# KiCad board cm0.kicad_pcb (continued)
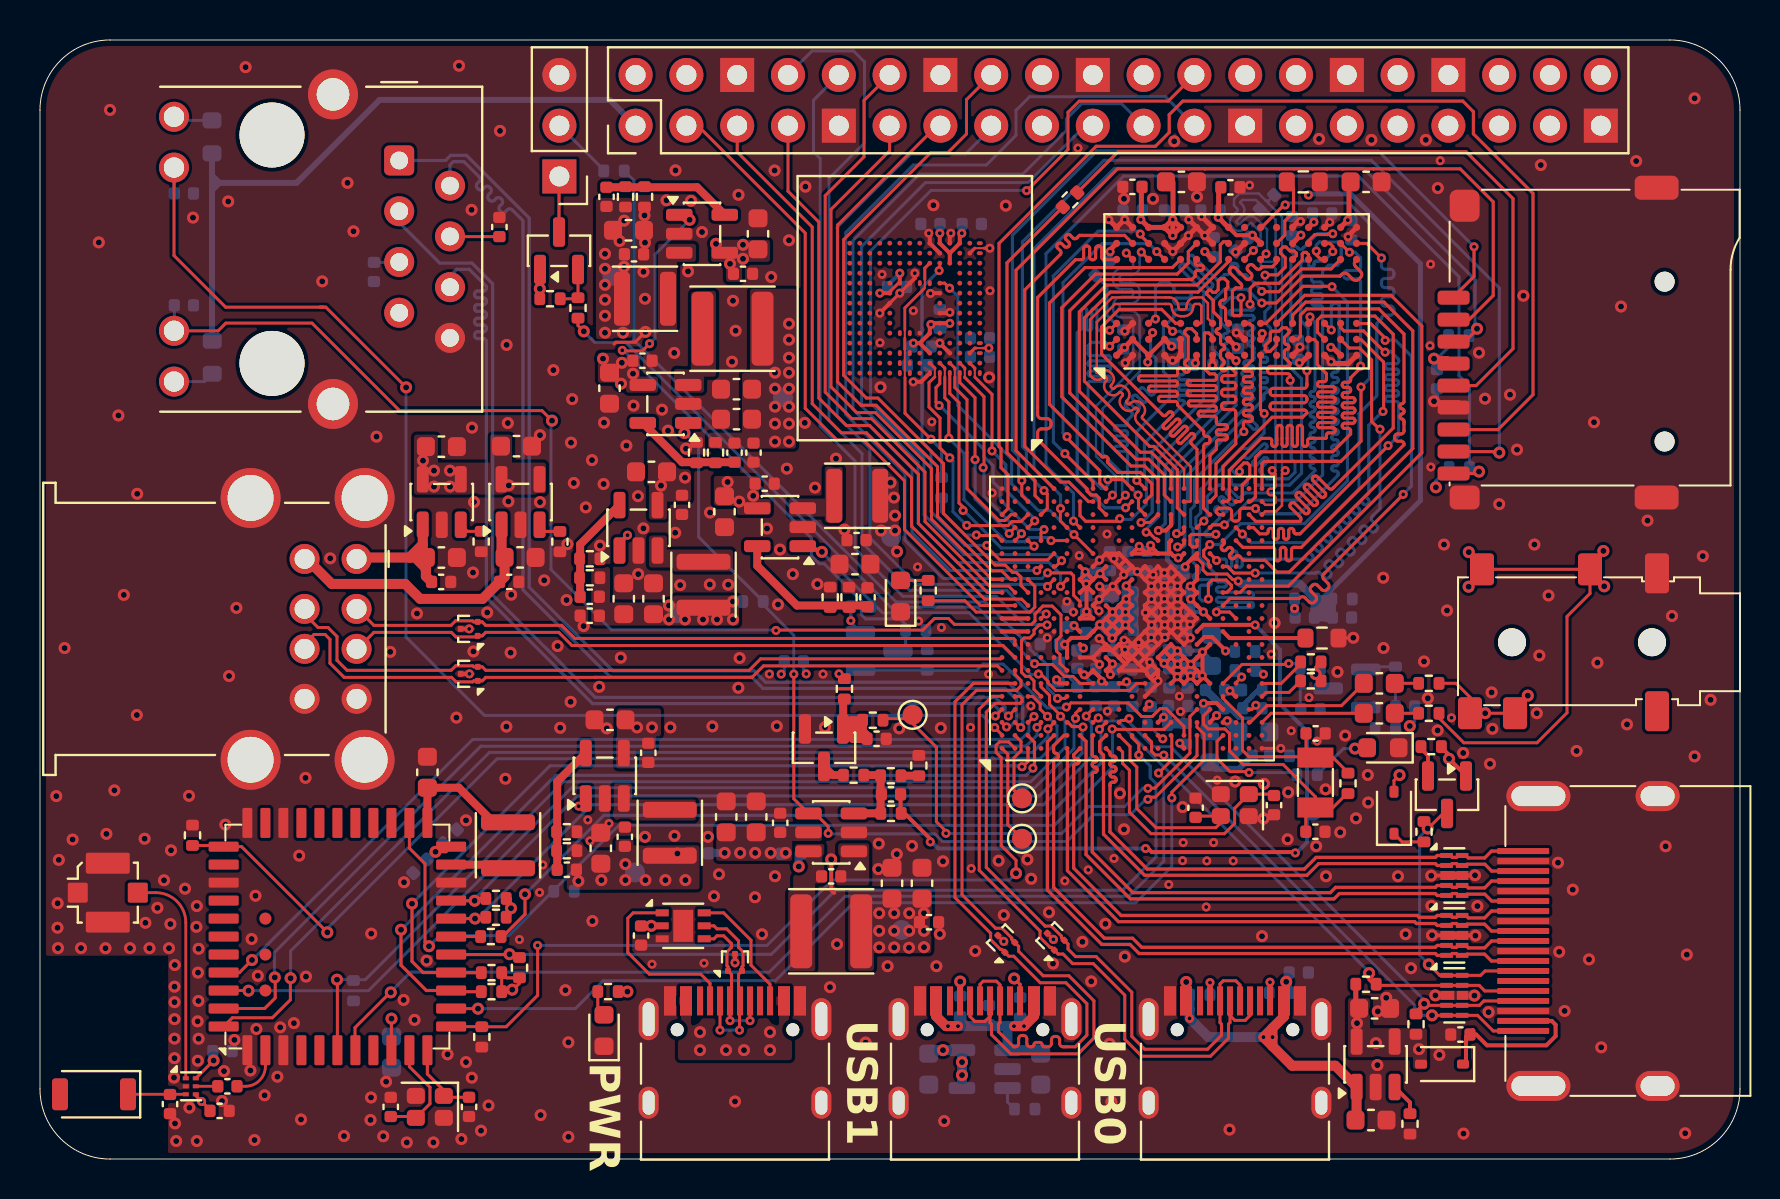
[diagram p0: board, top side]
## Routing (per net, layer and track width the routed paths; a pad name or vN(x,y) marks a point on that pad's centre or on a via; arc(x,y) is an arc through that point) (continued)
/DDR3/DQ12: length 20.5
  Top w0.157: U2.A7 53.81,45 53.2,45 arc(53.12,45.04) 53.08,45.12 53.08,45.57 arc(53.05,45.66) 52.96,45.69 52.9,45.69 arc(52.82,45.66) 52.78,45.57 52.78,45.12 arc(52.75,45.04) 52.66,45 52.6,45 arc(52.52,45.04) 52.48,45.12 52.48,45.57 arc(52.45,45.66) 52.36,45.69 52.3,45.69 arc(52.22,45.66) 52.18,45.57 52.18,45.12 arc(52.15,45.04) 52.06,45 51.77,45 49.88,43.11 49.88,37.26 arc(49.94,37.11) 50.08,37.05 50.35,37.05 arc(50.49,36.99) 50.55,36.85 50.55,36.75 arc(50.49,36.6) 50.35,36.54 50.08,36.54 arc(49.94,36.48) 49.88,36.34 49.88,36.01 52.35,33.54 52.35,33.43 52.54,33.23 52.8,33.23 52.96,33.07 52.96,32.59 U1.J19
/DDR3/DQ13: length 17.4
  Top w0.157: U1.L21 54.15,34 v1(53.39,34) ; v1(53.48,40.67) 53.83,41.02 U2.A2
  Bottom w0.157: v1(53.39,34) 53.39,33.74 53.21,33.55 53.06,33.55 52.4,34.21 52.4,38.82 arc(52.43,38.89) 52.5,38.92 53.42,38.92 arc(53.5,38.95) 53.53,39.02 53.53,39.07 arc(53.5,39.14) 53.42,39.17 52.5,39.17 arc(52.43,39.2) 52.4,39.28 52.4,39.33 arc(52.43,39.4) 52.5,39.43 53.42,39.43 arc(53.5,39.46) 53.53,39.53 53.53,39.58 arc(53.5,39.66) 53.42,39.69 52.5,39.69 arc(52.43,39.72) 52.4,39.79 52.4,39.84 arc(52.43,39.91) 52.5,39.94 53.42,39.94 arc(53.5,39.97) 53.53,40.05 53.53,40.1 arc(53.5,40.17) 53.42,40.2 52.5,40.2 arc(52.43,40.23) 52.4,40.3 52.4,40.7 52.57,40.87 53.28,40.87 v1(53.48,40.67)
/DDR3/DQ14: length 20.5
  Top w0.15: 49.24,35.66 51.03,33.88 51.44,33.88
  Top w0.157: U2.B8 54.23,46.22 51.97,46.22 51.83,46.08 arc(51.74,46.05) 51.66,46.08 51.5,46.24 arc(51.42,46.27) 51.33,46.24 51.29,46.19 arc(51.26,46.11) 51.29,46.02 51.45,45.87 arc(51.48,45.78) 51.45,45.7 51.4,45.66 arc(51.32,45.62) 51.23,45.66 51.08,45.81 arc(50.99,45.85) 50.91,45.81 50.87,45.77 arc(50.83,45.69) 50.87,45.6 51.02,45.44 arc(51.06,45.36) 51.02,45.27 49.24,43.49 49.24,35.66 ; 51.44,33.88 52.42,32.9 U1.H20
/DDR3/DQ15: length 17
  Top w0.157: v1(53.48,41.47) 53.83,41.82 U2.A3 ; U1.L20 54.29,32.59 v1(54.28,32.59)
  Bottom w0.157: v1(53.48,41.47) 52.95,41.47 arc(52.88,41.5) 52.85,41.57 52.85,42.47 arc(52.82,42.54) 52.75,42.57 52.7,42.57 arc(52.62,42.54) 52.59,42.47 52.59,41.57 arc(52.56,41.5) 52.49,41.47 52.44,41.47 arc(52.37,41.5) 52.34,41.57 52.34,42.47 arc(52.31,42.54) 52.23,42.57 52.18,42.57 arc(52.11,42.54) 52.08,42.47 52.08,41.57 arc(52.05,41.5) 51.98,41.47 51.86,41.35 51.86,33.98 53.25,32.59 v1(54.28,32.59)
/DDR3/DQM0: length 20.5
  Top w0.157: U1.M20 55.59,33.24 55.59,33.79 55.02,34.36 53.88,34.36 53.39,34.85 arc(53.37,34.9) 53.39,34.96 arc(53.42,35.02) 53.39,35.07 53.32,35.14 arc(53.27,35.17) 53.21,35.14 arc(53.15,35.12) 53.1,35.14 50.48,37.76 50.48,42.84 52.25,44.61 56.62,44.61 U2.E7
/DDR3/DQM1: length 17.4
  Top w0.157: U2.D3 v1(56.63,41.42) ; U1.G20 52,32.2 52.29,31.91 53.85,31.91 v1(53.99,32.05)
  Bottom w0.157: v1(56.63,41.42) 57.01,41.42 57.22,41.21 57.22,39.35 arc(57.19,39.28) 57.12,39.25 57.04,39.25 arc(56.96,39.22) 56.93,39.14 56.93,39.09 arc(56.96,39.02) 57.04,38.99 57.4,38.99 arc(57.48,38.96) 57.51,38.89 57.51,38.84 arc(57.48,38.76) 57.4,38.73 57.04,38.73 arc(56.96,38.7) 56.93,38.63 56.93,38.58 arc(56.96,38.51) 57.04,38.48 57.4,38.48 arc(57.48,38.45) 57.51,38.38 57.51,38.32 arc(57.48,38.25) 57.4,38.22 57.04,38.22 arc(56.96,38.19) 56.93,38.12 56.93,38.07 arc(56.96,38) 57.04,37.97 57.12,37.97 arc(57.19,37.94) 57.22,37.86 57.22,37.81 55.22,35.81 55.22,34.16 55.32,34.06 55.32,32.78 54.56,32.01 54.02,32.01 v1(53.99,32.05)
/DDR3/DQS0+: length 20.5
  Top w0.124: U2.F3 58.03,41.82 58.07,41.86 58.07,42.69 57.97,42.79 57.79,42.79 arc(57.69,42.75) 57.66,42.66 57.66,42.64 arc(57.52,42.31) 57.2,42.18 57.05,42.18 arc(56.72,42.31) 56.59,42.64 56.59,42.66 arc(56.55,42.75) 56.46,42.79 53.75,42.79 52.84,41.88 52.84,39.35 52.84,39.34 arc(52.88,39.32) 52.93,39.34 52.96,39.37 arc(53.23,39.49) 53.51,39.37 53.58,39.3 arc(53.69,39.03) 53.58,38.75 53.55,38.72 arc(53.53,38.68) 53.55,38.63 53.62,38.56 arc(53.66,38.54) 53.71,38.56 53.74,38.59 arc(54.01,38.71) 54.29,38.59 54.36,38.52 arc(54.47,38.25) 54.36,37.97 54.33,37.94 arc(54.31,37.9) 54.33,37.85 54.4,37.78 arc(54.44,37.77) 54.49,37.78 54.52,37.81 arc(54.79,37.93) 55.07,37.81 55.14,37.74 arc(55.25,37.47) 55.14,37.19 55.11,37.16 arc(55.09,37.12) 55.11,37.07 57.53,34.65 57.53,32.93 57.5,32.9 U1.R20
/DDR3/DQS0-: length 20.5
  Top w0.124: U1.R21 57.21,33.56 57.21,34.51 54.95,36.77 54.88,36.84 arc(54.76,37.12) 54.88,37.39 54.91,37.42 arc(54.93,37.47) 54.91,37.51 54.84,37.58 arc(54.79,37.6) 54.75,37.58 54.72,37.55 arc(54.44,37.44) 54.17,37.55 54.1,37.62 arc(53.98,37.9) 54.1,38.17 54.13,38.2 arc(54.15,38.25) 54.13,38.29 54.06,38.36 arc(54.01,38.38) 53.97,38.36 53.94,38.33 arc(53.66,38.22) 53.39,38.33 53.32,38.4 arc(53.2,38.68) 53.32,38.95 53.35,38.98 arc(53.37,39.03) 53.35,39.07 53.28,39.14 arc(53.23,39.16) 53.19,39.14 53.16,39.11 arc(52.88,39) 52.61,39.11 52.51,39.21 52.51,42.01 53.62,43.12 56.46,43.12 arc(56.78,42.98) 56.92,42.66 56.92,42.64 arc(56.95,42.54) 57.05,42.5 57.2,42.5 arc(57.29,42.54) 57.33,42.64 57.33,42.66 arc(57.46,42.98) 57.79,43.12 58.11,43.12 58.39,42.83 58.39,42.06 U2.G3
/DDR3/DQS1+: length 17.4
  Top w0.124: U1.K20 53.95,32.9 v1(54.27,33.22)
  Top w0.157: U2.C7 v1(55.06,45.38)
  Bottom w0.124: v1(55.06,45.38) 54.98,45.3 54.98,44.69 arc(54.85,44.37) 54.54,44.24 54.1,44.24 arc(54.02,44.2) 53.98,44.12 53.98,43.98 arc(54.02,43.89) 54.1,43.86 54.54,43.86 arc(54.85,43.72) 54.98,43.41 54.98,43.27 arc(54.85,42.95) 54.54,42.82 54.1,42.82 arc(54.02,42.78) 53.98,42.7 53.98,42.56 arc(54.02,42.47) 54.1,42.44 54.54,42.44 arc(54.85,42.3) 54.98,41.99 54.98,39.4 53.13,37.54 53.13,35.3 54.11,34.32 54.11,33.38 v1(54.27,33.22)
/DDR3/DQS1-: length 17.4
  Top w0.124: v1(53.62,33.22) U1.J20
  Top w0.157: v1(54.31,45.34) U2.B7
  Bottom w0.124: v1(53.62,33.22) 53.78,33.38 53.78,34.19 52.8,35.17 52.8,37.68 54.66,39.53 54.66,41.99 arc(54.62,42.07) 54.54,42.11 54.1,42.11 arc(53.78,42.24) 53.65,42.56 53.65,42.7 arc(53.78,43.01) 54.1,43.15 54.54,43.15 arc(54.62,43.18) 54.66,43.27 54.66,43.41 arc(54.62,43.49) 54.54,43.53 54.1,43.53 arc(53.78,43.66) 53.65,43.98 53.65,44.12 arc(53.78,44.43) 54.1,44.57 54.54,44.57 arc(54.62,44.6) 54.66,44.69 54.66,44.99 v1(54.31,45.34)
/DDR3/ODT: length 23.9
  Top w0.157: U1.W11 59.48,27.37 v1(58.82,27.37) ; v1(61.21,37.31) 61.02,37.49 61.02,40.21 U2.K1
  Bottom w0.157: v1(61.21,37.31) 61.2,37.3 61.2,36.33 60.42,35.55 60.08,35.55 58.04,33.51 58.04,32.34 57.79,32.09 57.79,31.76 57.98,31.57 57.98,30.09 58.82,29.24 58.82,28.98 arc(58.85,28.91) 58.93,28.88 59.22,28.88 arc(59.29,28.85) 59.32,28.78 59.32,28.73 arc(59.29,28.65) 59.22,28.62 58.93,28.62 arc(58.85,28.59) 58.82,28.52 58.82,28.47 arc(58.85,28.4) 58.93,28.37 60.57,28.37 arc(60.64,28.34) 60.67,28.26 60.67,28.21 arc(60.64,28.14) 60.57,28.11 58.93,28.11 arc(58.85,28.08) 58.82,28.01 58.82,27.96 arc(58.85,27.88) 58.93,27.85 60.57,27.85 arc(60.64,27.82) 60.67,27.75 60.67,27.7 arc(60.64,27.63) 60.57,27.6 58.93,27.6 arc(58.85,27.57) 58.82,27.49 58.82,27.38 v1(58.82,27.37)
/DDR3/~{CAS}: length 23.9
  Top w0.157: v1(58.49,30.75) 58.18,30.44 58.18,30.17 58.42,29.93 58.42,29.79 58.5,29.71 U1.U15 ; v1(64.6,43.65) 64.58,43.67 63.15,43.67 61.3,41.82 U2.K3
  Bottom w0.157: v1(58.49,30.75) 58.98,30.75 60.02,31.79 63.23,31.79 65.37,33.93 65.37,42.89 64.6,43.65 v1(64.6,43.65)
/DDR3/~{CS}: length 23.9
  Top w0.157: U1.W20 59.8,32.9 60.01,32.9 60.11,33 60.11,33.73 60.49,34.11 60.49,34.7 60.36,34.83 60.19,34.83 59.97,34.61 v1(59.97,34.4) ; v1(62.51,38.97) 62.52,38.98 62.52,39.16 arc(62.48,39.26) 62.38,39.3 61.52,39.3 arc(61.42,39.35) 61.38,39.45 61.38,39.52 arc(61.42,39.62) 61.52,39.66 62.38,39.66 arc(62.48,39.71) 62.52,39.81 62.52,39.81 62.22,40.11 62.22,40.41 arc(62.25,40.48) 62.32,40.51 62.34,40.51 arc(62.41,40.54) 62.44,40.61 62.44,40.66 arc(62.41,40.73) 62.34,40.76 62.32,40.76 arc(62.25,40.79) 62.22,40.87 62.22,41.12 62.45,41.35 62.45,41.46 62.32,41.6 62.12,41.6 61.95,41.43 61.6,41.43 61.51,41.34 61.51,40.97 61.26,40.71 61.26,40.5 61.35,40.41 61.5,40.41 61.83,40.74 U2.L2
  Bottom w0.157: v1(62.51,38.97) 62.56,38.91 62.56,35.04 62.75,34.85 62.75,34.36 62.43,34.04 61.35,34.04 61.01,34.39 arc(60.98,34.46) 61.01,34.53 61.38,34.9 arc(61.41,34.98) 61.38,35.05 61.34,35.08 arc(61.27,35.11) 61.2,35.08 60.83,34.71 arc(60.75,34.68) 60.68,34.71 60.64,34.75 arc(60.61,34.82) 60.64,34.89 61.33,35.58 arc(61.36,35.66) 61.33,35.73 61.3,35.76 arc(61.23,35.8) 61.15,35.76 60.46,35.07 arc(60.39,35.04) 60.32,35.07 60.27,35.12 60.12,35.12 59.6,34.6 59.6,34.46 59.8,34.26 59.83,34.26 v1(59.97,34.4)
/DDR3/~{RAS}: length 23.9
  Top w0.157: U1.V13 59.34,28.35 59.57,28.58 59.57,28.7 59.3,28.97 58.6,28.97 58.42,28.79 v1(58.42,28.02) ; U2.J3 60.24,41.81 60.49,41.81 60.62,41.68 60.62,39.99 60.17,39.54 arc(60.2,39.46) 60.28,39.43 60.51,39.43 arc(60.59,39.4) 60.62,39.32 60.62,39.26 arc(60.59,39.18) 60.51,39.15 60.28,39.15 arc(60.2,39.12) 60.17,39.04 60.17,38.98 arc(60.2,38.9) 60.28,38.87 60.51,38.87 arc(60.59,38.84) 60.62,38.76 60.62,38.7 arc(60.59,38.62) 60.51,38.59 60.28,38.59 arc(60.2,38.56) 60.17,38.48 60.17,38.42 arc(60.2,38.34) 60.28,38.31 60.51,38.31 arc(60.59,38.28) 60.62,38.2 60.62,38.14 arc(60.59,38.06) 60.51,38.03 60.28,38.03 arc(60.2,38) 60.17,37.92 60.17,37.86 arc(60.2,37.78) 60.28,37.75 60.51,37.75 arc(60.59,37.72) 60.62,37.64 60.62,37.58 arc(60.59,37.5) 60.51,37.47 60.28,37.47 arc(60.2,37.44) 60.17,37.36 60.17,37.3 arc(60.2,37.22) 60.28,37.19 60.51,37.19 arc(60.59,37.16) 60.62,37.08 60.62,37.02 arc(60.59,36.94) 60.51,36.91 60.28,36.91 arc(60.2,36.88) 60.17,36.8 60.17,36.57 60.19,36.55 v1(60.19,36.4)
  Bottom w0.157: v1(60.19,36.4) 60.14,36.4 57.72,33.98 57.72,32.69 57.53,32.5 57.53,31.65 57.65,31.54 57.65,29.88 57.97,29.55 57.97,29.39 arc(57.94,29.31) 57.86,29.27 57.78,29.27 arc(57.71,29.24) 57.67,29.16 57.67,29.11 arc(57.71,29.03) 57.78,28.99 58.46,28.99 arc(58.54,28.96) 58.57,28.88 58.57,28.83 arc(58.54,28.75) 58.46,28.71 58.08,28.71 arc(58.01,28.68) 57.97,28.6 57.97,28.07 58.11,27.93 58.33,27.93 v1(58.42,28.02)
/DDR3/~{RESET}: length 23.4
  Top w0.157: U1.U16 58.83,29.97 58.83,29.96 v1(58.83,29.95) ; v1(67.15,37.41) 67.18,37.44 67.18,39.88 66.05,41.01 65.84,41.01
  Bottom w0.157: v1(67.15,37.41) 67.13,37.41 66.44,36.72 66.44,33.31 66.37,33.24 arc(66.33,33.15) 66.37,33.06 66.42,33 arc(66.46,32.91) 66.42,32.82 66.38,32.77 arc(66.28,32.73) 66.19,32.77 66.14,32.82 arc(66.04,32.86) 65.95,32.82 65.9,32.78 arc(65.86,32.68) 65.9,32.59 65.96,32.54 arc(66,32.44) 65.96,32.35 65.91,32.3 arc(65.82,32.26) 65.72,32.3 65.67,32.36 arc(65.58,32.39) 65.48,32.36 65.44,32.31 arc(65.4,32.22) 65.44,32.12 65.49,32.07 arc(65.53,31.98) 65.49,31.88 65.44,31.84 arc(65.35,31.8) 65.26,31.84 65.2,31.89 arc(65.11,31.93) 65.02,31.89 64.97,31.84 arc(64.93,31.75) 64.97,31.66 65.02,31.6 arc(65.06,31.51) 65.02,31.42 64.98,31.37 arc(64.88,31.33) 64.79,31.37 64.74,31.42 arc(64.64,31.46) 64.55,31.42 64.5,31.38 arc(64.46,31.28) 64.5,31.19 64.56,31.14 arc(64.6,31.04) 64.56,30.95 64.51,30.9 arc(64.42,30.86) 64.32,30.9 64.27,30.96 arc(64.18,30.99) 64.08,30.96 64.04,30.91 arc(64,30.82) 64.04,30.72 64.09,30.67 arc(64.13,30.58) 64.09,30.48 64.04,30.44 arc(63.95,30.4) 63.86,30.44 63.8,30.49 arc(63.71,30.53) 63.62,30.49 63.57,30.44 arc(63.53,30.35) 63.57,30.26 63.62,30.2 arc(63.66,30.11) 63.62,30.02 63.58,29.97 arc(63.48,29.93) 63.39,29.97 63.34,30.02 arc(63.24,30.06) 63.15,30.02 60.21,30.02 arc(60.14,29.99) 60.11,29.92 60.11,29.72 arc(60.08,29.65) 60,29.62 59.95,29.62 arc(59.88,29.65) 59.85,29.72 59.85,30.33 arc(59.82,30.4) 59.74,30.43 59.69,30.43 arc(59.62,30.4) 59.59,30.33 59.59,29.72 arc(59.56,29.65) 59.48,29.62 59.43,29.62 arc(59.36,29.65) 59.33,29.72 59.33,29.92 arc(59.3,29.99) 59.22,30.02 58.89,30.02 v1(58.83,29.95)
/DDR3/~{WE}: length 27
  Top w0.157: U1.W13 60,28.35 60.32,28.67 62.42,28.67 69.09,35.34 69.09,41.68 67.55,43.22 63.23,43.22 U2.L3
/GPDI/GPDI_CECI: length 13.9
  Top w0.15: v2(69.44,9.74) 69.99,9.19 U21.1 72.03,9.19 72.25,9.41 J5.13 ; Q4.3 70.15,17.29 69.4,16.54 v2(69.39,16.54) 69.2,16.73 R47.2
  Bottom w0.15: v2(69.39,16.54) 69.39,16.52 68.98,16.12 68.98,10.2 v2(69.44,9.74)
/GPDI/GPDI_CLK+: length 33.3
  Top w0.162: J5.10 72.58,10.91 72.23,10.57 71.42,10.57 71.29,10.69 70.92,10.69 70.82,10.6 70.61,10.6 70.52,10.69 U20.4 69.86,10.69 69.77,10.6 55.08,10.6 54.63,11.05 53.22,11.05 50.68,13.59 50.68,19.89 arc(50.71,19.97) 50.8,20 arc(50.88,20.04) 50.91,20.12 50.91,20.19 arc(50.88,20.27) 50.8,20.3 arc(50.71,20.34) 50.68,20.42 50.68,20.68 51.2,21.2 U1.F2
/GPDI/GPDI_CLK-: length 33.3
  Top w0.162: U1.E2 50.37,20.87 50.37,13.46 53.09,10.74 54.5,10.74 54.95,10.28 69.77,10.28 69.86,10.19 U20.5 70.52,10.19 70.61,10.28 70.82,10.28 70.92,10.19 71.29,10.19 71.36,10.25 72.23,10.25 72.57,9.91 J5.12
/GPDI/GPDI_D0+: length 30.3
  Top w0.162: J5.7 72.58,12.41 72.23,12.07 71.42,12.07 71.29,12.19 70.92,12.19 70.82,12.1 70.61,12.1 70.52,12.19 U20.1 69.86,12.19 69.77,12.1 68.95,12.1 68.86,12.19 54.05,12.19 51.68,14.56 51.68,19.67 arc(51.71,19.75) 51.79,19.78 51.85,19.78 arc(51.92,19.81) 51.95,19.88 51.95,19.93 arc(51.92,20.01) 51.85,20.04 51.79,20.04 arc(51.71,20.07) 51.68,20.14 51.68,20.23 U1.G1
/GPDI/GPDI_D0-: length 30.3
  Top w0.162: U1.F1 51.37,20.53 51.37,14.43 53.92,11.88 68.73,11.88 68.82,11.78 69.77,11.78 69.86,11.69 U20.2 70.52,11.69 70.61,11.78 70.82,11.78 70.92,11.69 71.29,11.69 71.36,11.75 72.23,11.75 72.57,11.41 J5.9
/GPDI/GPDI_D1+: length 29.3
  Top w0.162: U1.H2 52.61,21.16 52.61,20.24 arc(52.64,20.16) 52.72,20.13 52.75,20.13 arc(52.83,20.1) 52.86,20.03 52.86,19.98 arc(52.83,19.9) 52.75,19.87 52.72,19.87 arc(52.64,19.84) 52.61,19.77 52.61,19.72 arc(52.64,19.64) 52.72,19.61 52.75,19.61 arc(52.83,19.58) 52.86,19.51 52.86,19.45 arc(52.83,19.38) 52.75,19.35 52.72,19.35 arc(52.64,19.32) 52.61,19.24 52.61,15.37 54.65,13.33 64.51,13.33 64.78,13.6 69.77,13.6 69.86,13.69 U19.4 70.52,13.69 70.61,13.6 70.82,13.6 70.92,13.69 71.29,13.69 71.42,13.57 72.23,13.57 72.58,13.91 J5.4
/GPDI/GPDI_D1-: length 29.3
  Top w0.162: U1.G2 52.3,20.9 52.3,15.24 54.52,13.02 64.7,13.02 64.97,13.28 69.77,13.28 69.86,13.19 U19.5 70.52,13.19 70.61,13.28 70.82,13.28 70.92,13.19 71.29,13.19 71.36,13.25 72.24,13.25 72.59,12.91 J5.6
/GPDI/GPDI_D2+: length 27.5
  Top w0.162: J5.1 72.58,15.41 72.23,15.07 71.42,15.07 71.29,15.19 70.92,15.19 70.82,15.1 70.61,15.1 70.52,15.19 U19.1 69.86,15.19 69.77,15.1 63.8,15.1 63.22,14.51 55.36,14.51 53.5,16.37 53.5,18.75 arc(53.53,18.82) 53.6,18.86 53.7,18.86 arc(53.77,18.89) 53.8,18.96 53.8,19.01 arc(53.77,19.09) 53.7,19.12 53.6,19.12 arc(53.53,19.15) 53.5,19.22 53.5,19.27 arc(53.53,19.35) 53.6,19.38 53.7,19.38 arc(53.77,19.41) 53.8,19.48 53.8,19.54 arc(53.77,19.61) 53.7,19.64 53.6,19.64 arc(53.53,19.67) 53.5,19.75 53.5,19.8 arc(53.53,19.87) 53.6,19.9 53.7,19.9 arc(53.77,19.93) 53.8,20.01 53.8,20.06 arc(53.77,20.13) 53.7,20.16 53.6,20.16 arc(53.53,20.19) 53.5,20.27 53.5,20.35 U1.J1
/GPDI/GPDI_D2-: length 27.5
  Top w0.162: U1.J2 52.98,20.88 52.98,20.4 53.18,20.21 53.18,16.25 55.23,14.2 63.35,14.2 63.93,14.78 69.77,14.78 69.86,14.69 U19.2 70.52,14.69 70.61,14.78 70.82,14.78 70.92,14.69 71.29,14.69 71.36,14.75 72.24,14.75 72.59,14.41 J5.3
/GPDI/GPDI_HPD: length 25.4
  Top w0.15: v2(69.6,7.19) U21.5 71.88,7.19 72.66,6.41 J5.19 ; v1(56.19,20.21) 56.18,20.22 55.76,20.22 55.58,20.4 55.58,20.87 U1.M2
  Bottom w0.15: v2(69.6,7.19) 69.13,7.19 69.03,7.29 69.01,7.29 68.73,7.57 68.73,7.7 56.3,20.13 56.27,20.13 v1(56.19,20.21)
/GPDI/GPDI_SCL: length 27.5
  Top w0.15: 52.65,21.84 U1.H3 52.87,22.07 v1(52.91,22.07) ; v2(66.45,9.3) 66.45,8.96 66.73,8.69 U21.2 71.96,8.69 72.24,8.41 J5.15
  Bottom w0.15: v1(52.91,22.07) 53.06,21.92 53.89,21.92 66.45,9.36 v2(66.45,9.3)
/GPDI/GPDI_SDA: length 27.2
  Top w0.15: v1(54.45,22.04) 54.31,22.04 54.22,21.95 54.05,21.95 U1.K3 ; J5.16 72.19,7.91 71.97,7.69 U21.4 69.46,7.69 69.43,7.72 69.25,7.72 v2(69.21,7.77) 69.19,7.77 68.8,7.38 R48.1
  Bottom w0.15: v2(69.21,7.77) 69.21,7.95 56.53,20.63 55.68,20.63 54.45,21.86 54.45,22.04 v1(54.45,22.04)
/GPIO/CPU_RX: length 33.6
  Top w0.15: U1.H6 52,23.8 51.65,24.15 51.22,24.15 50.63,24.75 49.73,24.75 49.73,24.75 v1(49.73,24.78) ; R71.1 26.9,41.71 v2(27.19,41.42)
  Bottom w0.15: v1(49.73,24.78) 49.73,24.79 49.7,24.79 46.87,27.62 42.71,27.62 42.7,27.63 42.52,27.63 29.28,40.87 27.73,40.87 27.19,41.41 v2(27.19,41.42)
/GPIO/CPU_TX: length 38.6
  Top w0.15: v1(50.88,23.05) 51.25,23.05 U1.F5
  Bottom w0.15: v1(50.88,23.05) 50.88,23.07 50.37,23.58 50.37,24.71 49.83,25.25 49.76,25.25 49.5,25.51 49.5,25.65 47.28,27.87 42.81,27.87 29.69,40.99 29.69,48.97 R72.1
/GPIO/GPIO3: length 32.9
  Top w0.15: U1.B12 47.03,27.7 43.22,31.5 43.22,33.93 41.17,35.99 39.84,35.99 38.26,37.57 38.26,46.34 32.89,51.71 J9.3
/GPIO/GPIO5: length 31.9
  Top w0.15: U1.C12 49.08,28.02 47.23,28.02 43.58,31.67 43.58,34.09 41.32,36.34 40.07,36.34 38.61,37.8 38.61,46.64 34.86,50.39 J9.5
/GPIO/GPIO7: length 28.9
  Top w0.15: U1.A13 47.38,28.35 43.93,31.8 43.93,34.26 41.48,36.71 40.31,36.71 38.94,38.08 38.94,46.89 37.4,48.43 J9.7
/GPIO/GPIO8: length 41.1
  Top w0.15: U1.D11 50.27,27.27 v1(50.31,27.27)
  Bottom w0.15: J9.8 38.6,55.45 40.68,55.45 41.22,54.9 41.22,50.85 39.45,49.07 39.45,36.95 41.1,35.3 41.1,30.84 43.48,28.46 48.33,28.46 49.41,27.37 50.27,27.37 50.31,27.33 v1(50.31,27.27)
/GPIO/GPIO10: length 41.3
  Top w0.15: v1(50.35,26.73) 49.96,26.73 49.7,26.47 49.7,26.28 49.5,26.07 49.2,26.07 49.08,25.95 49.08,24.36 49.28,24.15 49.47,24.15 49.7,23.92 49.7,23.5 U1.D5
  Bottom w0.15: v1(50.35,26.73) 50.33,26.75 49.22,26.75 47.81,28.16 43.14,28.16 40.75,30.55 40.75,34.93 39.01,36.67 39.01,50.06 38.68,50.4 38.68,52.98 J9.10
/GPIO/GPIO11: length 28.3
  Top w0.15: J9.11 42.48,50.45 39.55,47.52 39.55,38.64 40.84,37.35 41.78,37.35 44.58,34.55 44.58,32.02 47.6,29 U1.A14
/GPIO/GPIO12: length 32.3
  Top w0.15: U1.B13 48.43,28.67 47.48,28.67 44.25,31.9 44.25,34.37 41.58,37.05 40.59,37.05 39.26,38.38 39.26,48.21 41.2,50.15 41.2,52.97 J9.12
/GPIO/GPIO13: length 29.5
  Top w0.15: U1.B14 48.52,29 48.09,29.43 47.6,29.43 44.88,32.16 44.88,34.65 41.81,37.72 41.05,37.72 39.88,38.89 39.88,46.74 44.85,51.71 J9.13
/GPIO/GPIO15: length 36.5
  Top w0.15: v1(50.37,28.65) 50.37,28.67 U1.E14
  Bottom w0.15: J9.15 47.56,51.58 46.28,50.3 43.54,50.3 39.86,46.62 39.86,37.18 41.49,35.55 41.49,31.09 43.82,28.76 50.27,28.76 v1(50.38,28.65)
/GPIO/GPIO16: length 34
  Top w0.15: U1.C13 49.05,28.7 49.05,29.12 48.81,29.35 48.63,29.35 48.26,29.72 47.76,29.72 45.18,32.3 45.18,34.8 41.9,38.08 41.32,38.08 40.18,39.22 40.18,46 44.53,50.36 45.39,50.36 46.33,51.29 46.33,53.01 J9.16
/GPIO/GPIO19: length 38.4
  Top w0.15: v1(51.03,28.65) 51.03,28.68 U1.F14
  Bottom w0.15: 51.03,28.72 v1(51.03,28.65) 51.03,29.26 50.44,29.85 45.87,29.85 43.9,31.82 43.9,34.86 41.08,37.68 41.08,45.67 44.27,48.86 49.41,48.86 52.26,51.71 J9.19
/GPIO/GPIO21: length 41.3
  Top w0.15: v1(49.84,29.45) 49.85,29.45 49.88,29.47 49.88,29.48 U1.D15
  Bottom w0.15: J9.21 54.08,52.81 52.08,52.81 51.32,52.05 51.32,51.47 49.14,49.29 43.98,49.29 40.65,45.96 40.65,37.51 43.6,34.56 43.6,31.36 45.51,29.45 v1(49.84,29.45)
/GPIO/GPIO23: length 49.2
  Top w0.15: v1(50.38,29.33) 51.54,29.33 51.68,29.19 51.68,28.21 52,27.89 U1.G12
  Bottom w0.15: J9.23 56.27,53.16 49.48,53.16 48.8,52.48 48.8,51.23 47.31,49.74 43.66,49.74 40.29,46.37 40.29,37.25 43.25,34.29 43.25,30.96 45.16,29.05 50.1,29.05 v1(50.38,29.33)
/GPIO/GPIO24: length 43.6
  Top w0.15: J9.24 56.41,52.94 51.96,52.94 51.4,52.38 51.4,50.52 49.34,48.46 v1(49.33,48.46) ; v1(51.08,29.95) 50.78,29.65 U1.E15
  Bottom w0.15: v1(49.33,48.46) 49.31,48.47 44.56,48.47 41.53,45.45 41.53,37.82 44.2,35.15 44.2,32.25 46.2,30.25 50.75,30.25 51.05,29.95 v1(51.08,29.95)
/GPIO/PWR_LED: length 5.6
  Top w0.15: U1.V2 58.85,20.9 58.85,20.04 59.5,19.39 60.4,19.39 v1(60.45,19.34)
  Bottom w0.15: R67.2 62.73,19.34 v1(60.45,19.34)
/GPIO/STATUS_LED: length 7.2
  Top w0.15: U1.C14 49.74,28.66 49.74,27.61 49.5,27.37 46.81,27.37 46.24,27.94 R68.2
/H3/BT_HOST_WAKE: length 51.7
  Top w0.15: v1(55.93,19.31) 56.59,19.98 56.59,21.16 U1.P2 ; v2(17.54,8.34) 17.52,8.34 15.75,6.57 15.75,5.46 U24.7
  Bottom w0.15: v2(17.54,8.34) 17.67,8.46 17.67,8.49 18.53,9.35 36.46,9.35 40.26,13.15 54.44,13.15 56.19,14.9 56.19,19.05 v1(55.93,19.31)
/H3/BT_RXD: length 48.6
  Top w0.15: 50.05,21.9 U1.D3 50.05,21.8 v1(49.85,21.6) ; U24.43 11.23,7.53 11.76,8.06 11.76,9.07 v2(11.74,9.09)
  Top w0.2: U24.43 9.24,7.53 9.24,7.53
  Bottom w0.15: 49.85,21.6 49.85,21.21 49.3,20.66 22.04,20.66 11.72,10.34 11.72,9.11 v2(11.74,9.09)
/H3/BT_TXD: length 49.8
  Top w0.15: U24.42 10.42,8.43 v2(10.43,8.42) ; v1(51.77,22.05) 51.77,22.3 51.97,22.5 U1.G4
  Bottom w0.15: v2(10.43,8.42) 16.43,8.42 26.58,18.58 49.73,18.58 51.7,20.55 51.7,22.12 51.7,22.12 v1(51.77,22.05)
/H3/BT_WAKE: length 48.5
  Top w0.15: U24.6 14.87,8.95 v2(14.85,8.97) ; v1(51.03,22.15) 51.03,22.2 50.47,22.75 50.47,23.21 50.05,23.63 U1.D6
  Bottom w0.15: v1(51.03,22.15) 51.25,21.93 51.25,20.59 49.54,18.88 26.17,18.88 16.26,8.97 v2(14.85,8.97)
/H3/eMMC_CLK: length 4.3
  Top w0.15: v1(46.82,31.23) 46.91,31.23 46.94,31.2 47.85,31.2 U1.A17
  Bottom w0.157: R54.1 45.08,32.4 46.26,31.22 46.81,31.22 v1(46.82,31.23)
/H3/eMMC_CMD: length 20.3
  Top w0.15: U1.E16 50.39,29.99 47.98,29.99 47.34,30.63 v1(47.34,30.71) ; U22.M5 44.99,44.49 v1(44.96,44.46)
  Bottom w0.157: v1(47.34,30.71) 46.24,30.71 44.55,32.4 44.55,35.45 44.1,35.9 44.1,43.6 v1(44.96,44.46)
/H3/eMMC_D0: length 9.5
  Top w0.15: U22.A3 45.99,38.86 46.75,38.1 46.75,35 v1(46.75,35) ; U1.B18 48.48,31.33 48.48,31.31 48.47,31.3 v1(48.46,31.3)
  Bottom w0.157: v1(46.75,35) 46.75,33.03 48.42,31.37 48.46,31.32 v1(48.46,31.3)
/H3/eMMC_D1: length 11.9
  Top w0.15: v1(46.16,32.46) 46.16,32.63 45.95,32.83 45.95,37.85 45.49,38.31 U22.A4 ; U1.C17 49.68,30.67 v1(49.71,30.67)
  Bottom w0.15: v1(49.71,30.67) 49.61,30.57 48.06,30.57 46.18,32.46 v1(46.16,32.46)
/H3/eMMC_D2: length 11.2
  Top w0.15: v1(50.2,31.5) 50.2,31.47 50.05,31.32 U1.D17 ; U22.A5 44.99,38.8 44.8,38.61 44.8,37.86 v1(44.96,37.7)
  Bottom w0.157: v1(44.96,37.7) 44.96,37.69 45.03,37.62 45.08,37.62 47.2,35.5 47.2,35.15 47.65,34.7 47.65,33.88 48.01,33.52 48.01,32.99 49.5,31.5 v1(50.2,31.5)
/H3/eMMC_D3: length 9.7
  Top w0.1: 46.74,39.52 46.74,39.13
  Top w0.15: 46.74,39.52 46.74,39.58 U22.B2 ; 46.74,39.13 47.6,38.27 v1(47.6,35.43) ; v1(49.74,31.94) U1.C18
  Bottom w0.157: v1(47.6,35.43) 48.29,34.74 48.29,33.47 49.74,32.02 v1(49.74,31.94)
/H3/eMMC_D4: length 10.3
  Top w0.1: 46.24,39.52 46.24,39.13
  Top w0.15: 46.24,39.52 46.24,39.58 U22.B3 ; U1.B17 49.07,31.27 49.07,31.29 v1(49.07,31.3) ; 46.24,39.13 46.24,39.11 47.2,38.15 47.2,34.64 v1(47.16,34.6)
  Bottom w0.157: v1(47.16,34.6) 47.2,34.56 47.2,33.17 v1(49.07,31.3)
/H3/eMMC_D5: length 9.8
  Top w0.1: 45.74,39.52 45.74,39.13
  Top w0.15: U1.B19 48.55,32.25 48.25,31.95 47.95,31.95 47.9,32 ; 46.35,35.35 46.35,38 45.74,38.61 45.74,39.13 ; 45.74,39.52 45.74,39.58 U22.B4
  Top w0.157: 46.35,35.35 46.35,33.55 47.9,32
/H3/eMMC_D6: length 13.5
  Top w0.1: 45.24,39.52 45.24,39.13
  Top w0.15: U1.F17 v1(50.55,30.95) ; 45.24,39.52 45.24,39.58 U22.B5 ; 45.24,39.13 45.24,38.09 45.44,37.89 45.44,37.84
  Top w0.157: 45.44,37.84 v1(45.44,36.07)
  Bottom w0.157: v1(45.44,36.07) 46.2,35.32 46.2,33 48.06,31.14 48.06,31.14 48.29,30.9 48.3,30.9 48.3,30.9 48.9,30.9 48.91,30.89 49.24,30.89 49.25,30.9 49.26,30.9 49.46,31.1 50.4,31.1 v1(50.55,30.95)
/H3/eMMC_D7: length 12.4
  Top w0.1: 44.74,39.13 44.74,39.55
  Top w0.15: 44.74,39.14 44.45,38.85 44.45,37.63 45,37.08 45,35.58 v1(45.49,35.09) ; U1.C19 49.05,31.9 48.6,31.9 48.4,31.7 46.46,31.7 46.44,31.71 v1(46.34,31.71) ; U22.B6 44.74,39.58 44.74,39.55
  Bottom w0.157: v1(46.34,31.71) 46.26,31.79 46.25,31.79 45.65,32.39 45.65,34.93 v1(45.49,35.09)
/H3/EPHY_LINK_LED: length 64.8
  Top w0.15: v2(18.31,38.61) 14.29,42.63 13.99,42.63 14.19,42.63 9.28,42.63 6.7,45.21 J8.10 ; U1.A2 48.1,21.22 47.75,21.57 47.75,21.58 v1(47.74,21.59)
  Bottom w0.15: C136.1 6.72,49.6 J8.10 ; v2(18.31,38.61) 18.3,38.61 18.3,26.12 22.22,22.2 47.12,22.2 47.73,21.59 47.74,21.59 v1(47.74,21.59)
/H3/EPHY_RX+: length 51
  Top w0.15: U1.B4 v1(48.42,22.17)
  Bottom w0.162: v1(48.42,22.17) 48.25,22.34 48.25,22.62 47.77,23.1 27.76,23.1 22.63,28.23 22.63,43.8 21.59,44.84 19.98,44.84 17.96,46.86 J8.3
/H3/EPHY_RX-: length 51
  Top w0.15: U1.A4 v1(47.77,22.17)
  Bottom w0.162: v1(47.77,22.17) 47.94,22.34 47.94,22.49 47.64,22.79 27.63,22.79 22.32,28.1 22.32,40.92 arc(22.28,41.02) 22.18,41.06 21.87,41.06 arc(21.77,41.1) 21.73,41.19 21.73,41.26 arc(21.77,41.36) 21.87,41.4 22.18,41.4 arc(22.28,41.44) 22.32,41.53 22.32,41.6 arc(22.28,41.7) 22.18,41.74 21.87,41.74 arc(21.77,41.78) 21.73,41.87 21.73,41.94 arc(21.77,42.04) 21.87,42.08 22.18,42.08 arc(22.28,42.12) 22.32,42.21 22.32,42.28 arc(22.28,42.38) 22.18,42.42 21.87,42.42 arc(21.77,42.46) 21.73,42.55 21.73,42.62 arc(21.77,42.72) 21.87,42.76 22.18,42.76 arc(22.28,42.8) 22.32,42.89 22.32,42.96 arc(22.28,43.06) 22.18,43.1 21.87,43.1 arc(21.77,43.14) 21.73,43.23 21.73,43.3 arc(21.77,43.4) 21.87,43.44 22.18,43.44 arc(22.28,43.48) 22.32,43.57 22.32,43.67 21.47,44.52 20.84,44.52 20.5,44.18 J8.6